# Altium PCB OpenFAN_Micro.PcbDoc
Units mm, origin at the board's own origin, x right, y up, seen from the top; angles counter-clockwise.
Board outline 40 x 28 mm, 4 copper layers (Top Layer, Layer 1, Layer 2, Bottom Layer), stack 1.562 mm thick; 60 components, 31 nets, 179 pads, 139 vias.
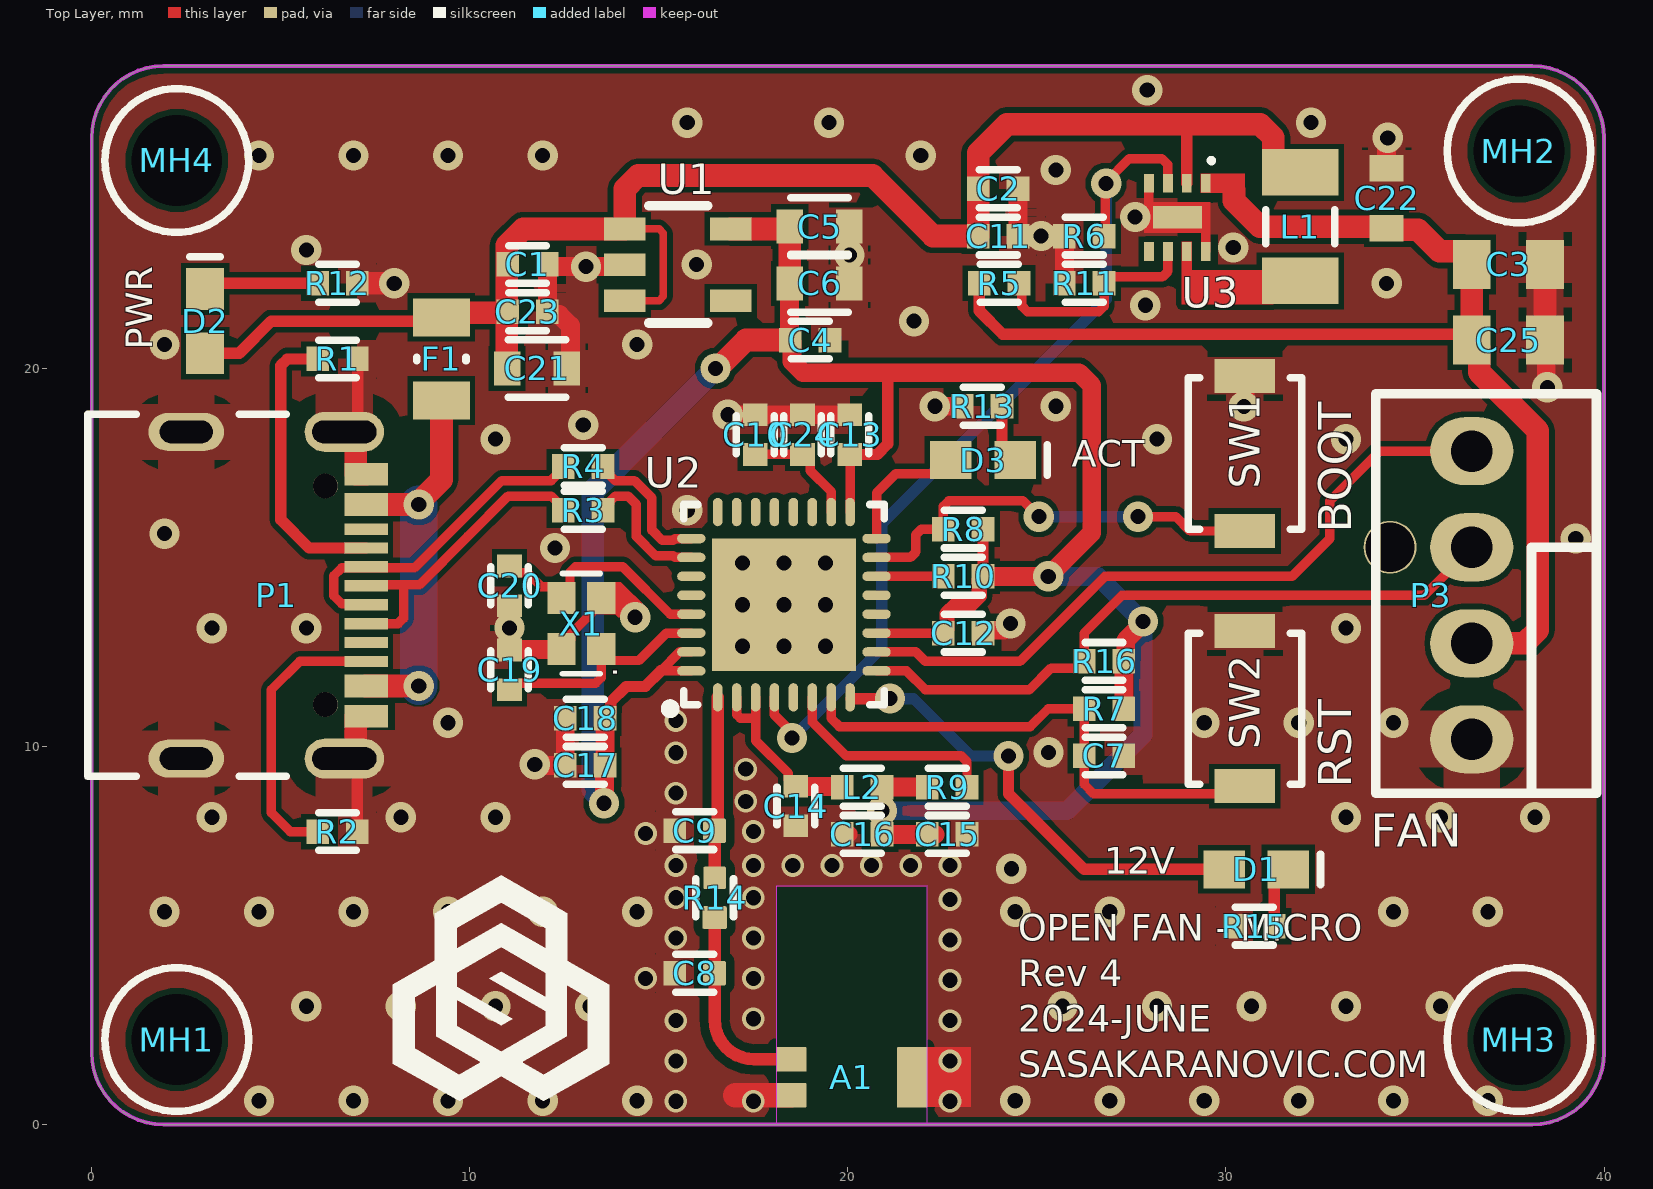
[diagram p0: Top Layer view]
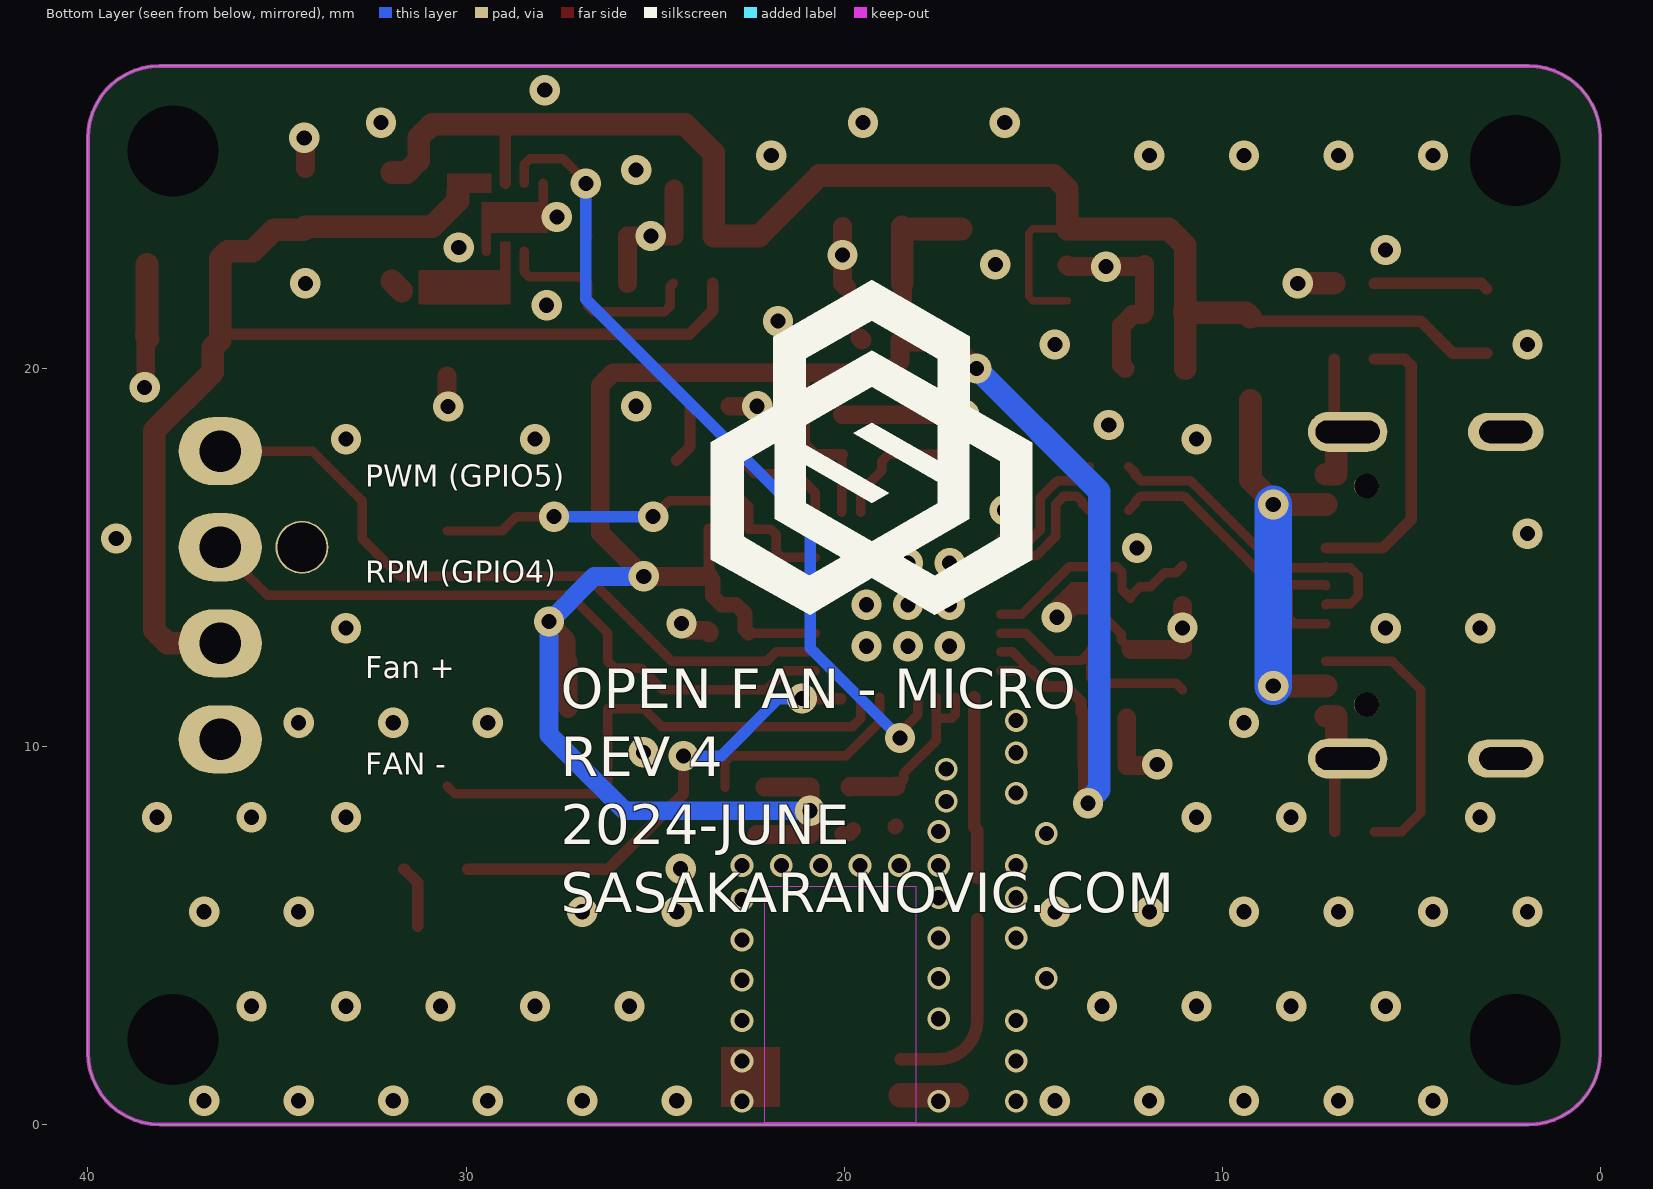
[diagram p1: Bottom Layer view, seen from below]
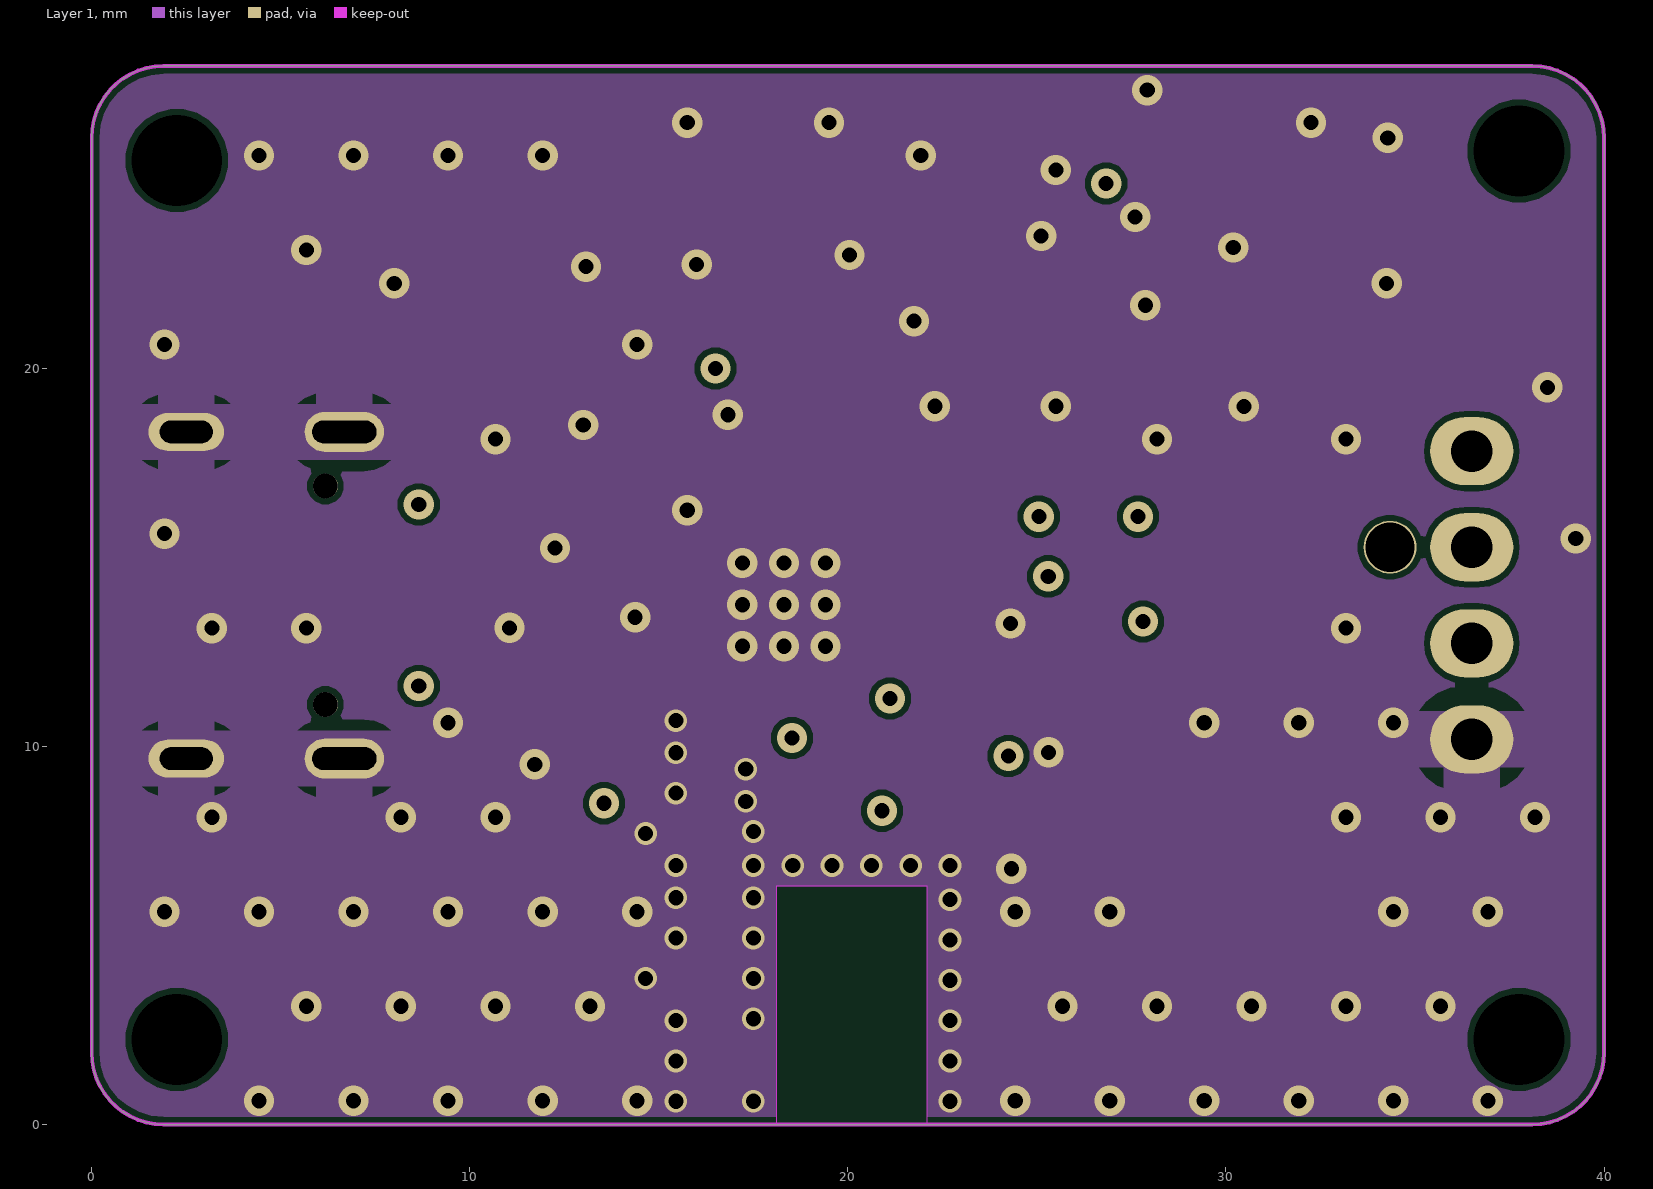
[diagram p2: Layer 1]
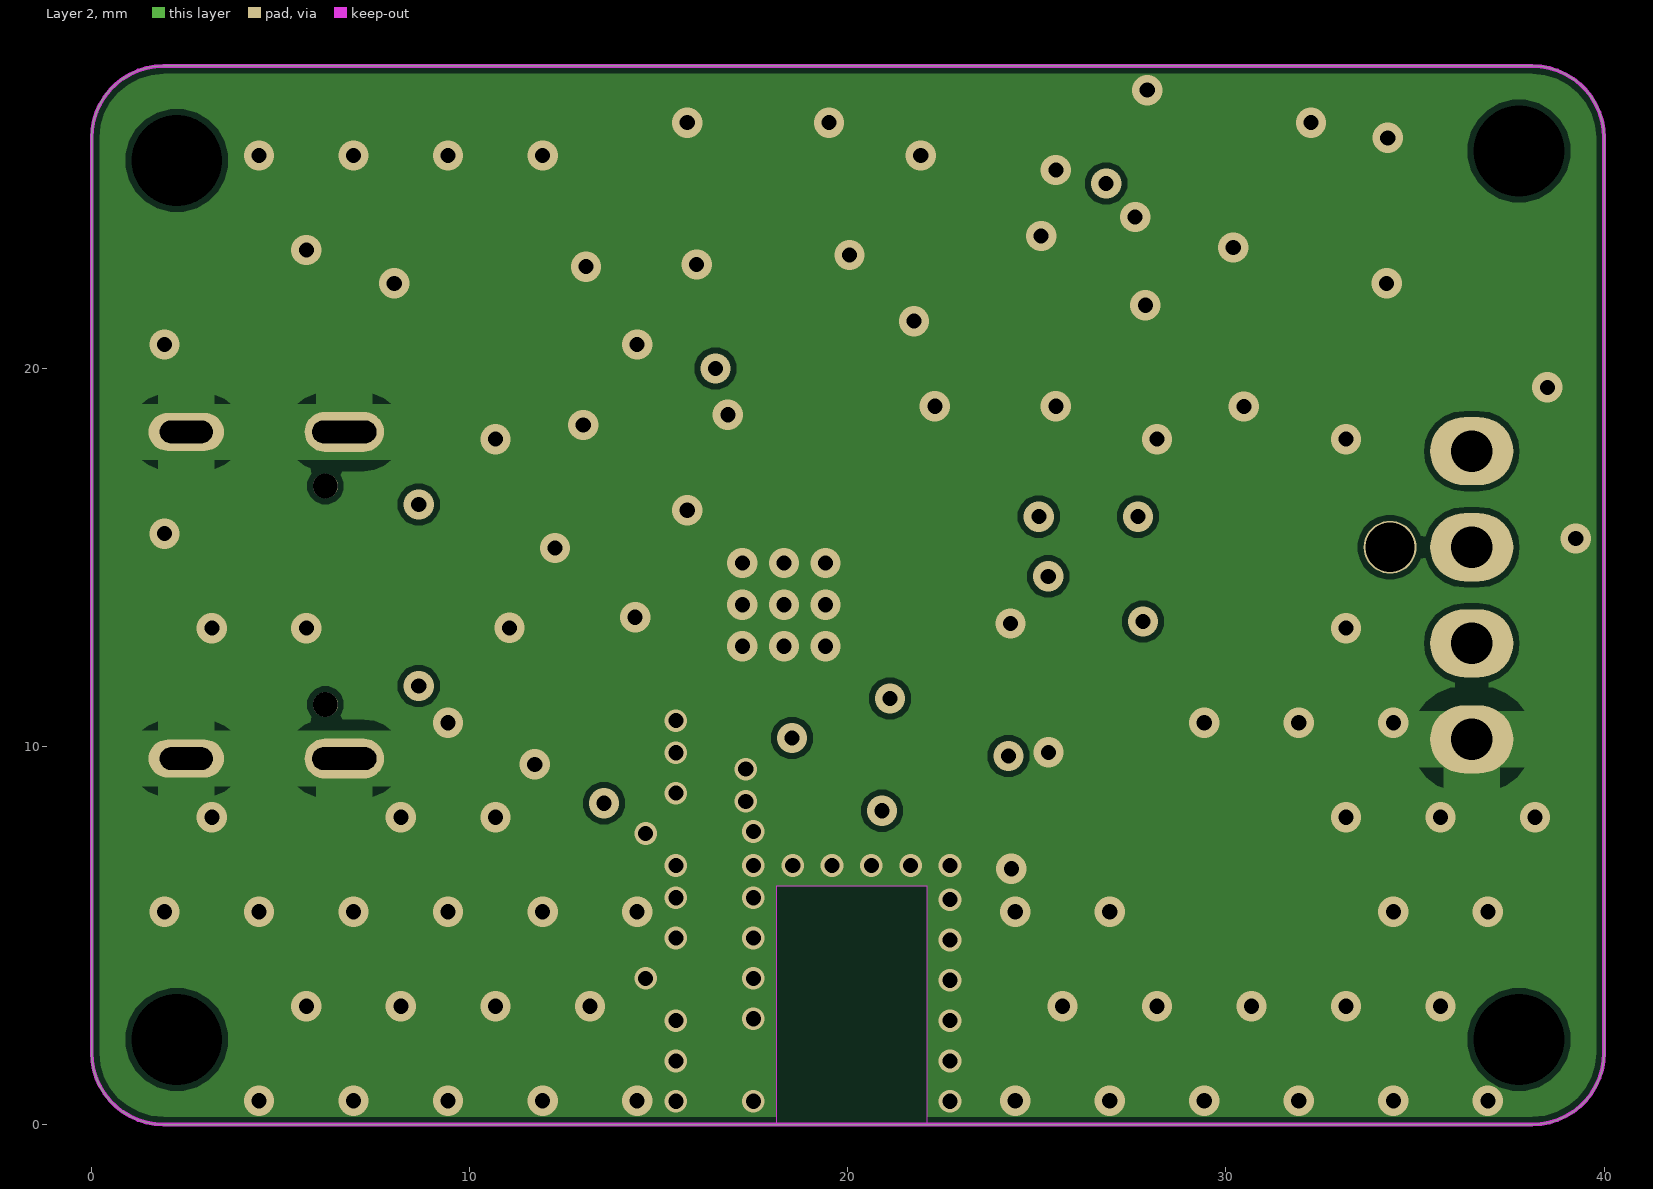
[diagram p3: Layer 2]
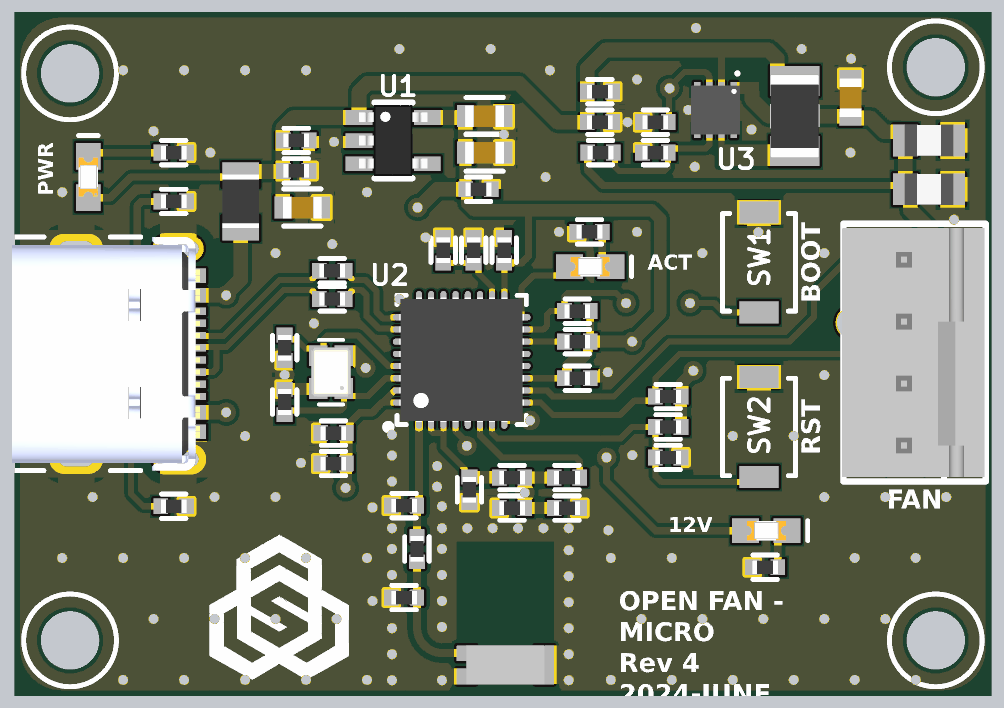
[diagram p4: 3D render of the assembled board from above, using the file's embedded part models]

## Layer stack, top to bottom
Top Solder: solder mask 0.0102, Solder Resist, Dk 3.5
Top Layer: signal copper 0.035
Dielectric 2: prepreg 0.196, 7628, Dk 4.56
Layer 1: signal copper 0.035
Dielectric 1: dielectric 1.03, FR-4, Dk 4.6
Layer 2: signal copper 0.035
Dielectric 3: prepreg 0.196, 7628, Dk 4.56
Bottom Layer: signal copper 0.035
Bottom Solder: solder mask 0.0102, Solder Resist, Dk 3.5

## Board outline
0,1.9 0,26.1 cw(c1.9,26.1) 1.9,28 38.1,28 cw(c38.1,26.1) 40,26.1 40,1.9 cw(c38.1,1.9) 38.1,0 1.9,0 cw(c1.9,1.9)

## Design rules (kind name [scope] priority, off if disabled: settings)
Clearance Antenna [InNetClass('RF') vs InNet('GND')] p1: gap=0.235 ignorepadtopadclearanceinfootprint=FALSE
Clearance Top-Pour [InNamedPolygon('GND_L01_P003')] p2: gap=0.15 ignorepadtopadclearanceinfootprint=FALSE
Clearance [All] p3: gap=0.152 ignorepadtopadclearanceinfootprint=FALSE
DiffPairsRouting [InDifferentialPairClass('All Differential Pairs')] p1: maxlimit=0.16 minlimit=0.127 mostfreqgap=0.16 toplayer_mingap=0.16 toplayer_minwidth=0.25 toplayer_maxwidth=0.25 toplayer_prefwidth=0.25 midlayer1_maxgap=0.127 midlayer1_prefgap=0.127 midlayer1_minwidth=0.1 midlayer1_maxwidth=0.1 midlayer1_prefwidth=0.1 midlayer2_maxgap=0.127 midlayer2_prefgap=0.127 midlayer2_minwidth=0.1 midlayer2_maxwidth=0.1 midlayer2_prefwidth=0.1 bottomlayer_mingap=0.16 bottomlayer_minwidth=0.25 bottomlayer_maxwidth=0.25 bottomlayer_prefwidth=0.25 impedanceprofiledriven=TRUE impedanceprofileid={943AB626-DB23-40CF-9A72-3136BF07F0CD} impedanceprofilevalue=90.000000 maxuncoupledlength=12.7
HoleSize [All] p1: absolutevalues=TRUE maxlimit=50 minlimit=0.4 maxpercent=80.000 minpercent=20.000
MinimumSolderMaskSliver [All] p1 off: minsoldermaskwidth=0.1
PlaneConnect [All] p1: pad.planeconnectstyle=Relief pad.reliefexpansion=0.508 pad.reliefentries=4 pad.reliefconductorwidth=0.254 pad.reliefairgap=0.254 via.planeconnectstyle=Direct via.reliefexpansion=0.508 via.reliefentries=4 via.reliefconductorwidth=0.254 via.reliefairgap=0.254
PolygonConnect PolygonConnect_2 [All vs IsNamedPolygon('NONET_L01_P001')] p1: connectstyle=Direct reliefconductorwidth=0.254 reliefentries=4 polygonreliefangle="90 Angle" airgapwidth=0.254
PolygonConnect [All vs IsNamedPolygon('NONET_L02_P000')] p2: thpad.connectstyle=Relief thpad.reliefconductorwidth=1 thpad.reliefentries=4 thpad.polygonreliefangle="90 Angle" thpad.airgapwidth=0.5 smdpad.connectstyle=Direct smdpad.reliefconductorwidth=0.254 smdpad.reliefentries=4 smdpad.polygonreliefangle="90 Angle" smdpad.airgapwidth=0.254 via.connectstyle=Direct via.reliefconductorwidth=0.254 via.reliefentries=4 via.polygonreliefangle="90 Angle" via.airgapwidth=0.254
PolygonConnect PolygonConnect_1 [All] p3: thpad.connectstyle=Relief thpad.reliefconductorwidth=1.5 thpad.reliefentries=4 thpad.polygonreliefangle="90 Angle" thpad.airgapwidth=0.5 smdpad.connectstyle=Relief smdpad.reliefconductorwidth=1 smdpad.reliefentries=4 smdpad.polygonreliefangle="90 Angle" smdpad.airgapwidth=0.2 via.connectstyle=Direct via.reliefconductorwidth=0.254 via.reliefentries=4 via.polygonreliefangle="90 Angle" via.airgapwidth=0.254
RoutingVias [All] p1: holewidth=0.8 width=0.8 viastyle="Through Hole" minholewidth=0.3 minwidth=0.6 maxholewidth=0.4 maxwidth=50
SilkToSilkClearance [All] p1 off: silktosilkclearance=0.1
SilkToSolderMaskClearance [IsPad] p1 off: minsilkscreentomaskgap=0.1 clearancetoexposedcopper=TRUE
SolderMaskExpansion [All] p1: expansion=0.102 istentingtop=FALSE
Width [All] p1: maxlimit=50 minlimit=0.154 preferedwidth=0.2
24 further rules are at their usual default settings.

## Classes and differential pairs
differential pair class USB_90: USB USB_CON
net class RF: NetA1_1 NetC9_2
differential pair class USB: USB_CON
component class 01_Top: MH1 MH2 MH3 MH4
component class Power: C1 C2 C3 C4 C5 C6 C11 C21 C23 D2 F1 L1 P1 R1 R2 R3 R4 R5 R6 R11 R12 U1 U3
component class MCU: A1 C7 C8 C9 C10 C12 C13 C14 C15 C16 C17 C18 C19 C20 C24 D1 D3 L2 R7 R8 R9 R10 R13 R14 R15 SS SW1 SW2 U2 X1
component class "Fan Drivers": C22 C25 P3 R16
differential pair USB: +USB_P -USB_N
differential pair USB_CON: +USB_CON_P -USB_CON_N

## Components (designator, comment, footprint, x,y, rotation, side; value= is the part's Value field where it differs from the comment)
A1 "Antenna" W3008C 20.1,1.25 r180 top locked value=W3008C
C1 "Cap" 0402#1 11.525,22.75 r180 top value=10u
C2 "Cap" 0402#1 23.975,24.75 r180 top value=100n
C3 "Cap" 0805 37.47,22.75 r180 top value=10u
C4 "Cap" 0402#1 19,20.75 r180 top value=100n
C5 "Cap" "0603 - CAP" 19.25,23.75 r180 top value=10u
C6 "Cap" "0603 - CAP" 19.25,22.25 r180 top value=10u
C7 "Cap" 0402#1 26.775,9.75 r180 top value=1u
C8 "Cap" 0402#2 15.948,4.005 r0 top value=DNP
C9 "Cap" 0402#2 15.948,7.775 r0 top value=DNP
C10 "Cap" 0402#1 17.55,18.25 r270 top value=1u
C11 "Cap" 0402#1 23.975,23.5 r180 top value=10u
C12 "Cap" 0402#1 23.05,13 r180 top value=100n
C13 "Cap" 0402#1 20.05,18.25 r270 top value=1u
C14 "Cap" 0402#1 18.625,8.425 r90 top value=100n
C15 "Cap" 0402#1 22.625,7.675 r180 top value=100n
C16 "Cap" 0402#1 20.375,7.675 r0 top value=10u
C17 "Cap" 0402#1 13.05,9.5 r0 top value=100n
C18 "Cap" 0402#1 13.05,10.75 r0 top value=1u
C19 "Cap" 0402#1 11.05,12.025 r90 top value=8pF
C20 "Cap" 0402#1 11.05,14.25 r90 top value=8pF
C21 "Cap" "0603 - CAP" 11.775,20 r180 top value=10u
C22 "Cap" "0603 - CAP" 34.25,24.5 r270 top value=1u
C23 "Cap" 0402#1 11.525,21.5 r180 top value=100n
C24 "Cap" 0402#1 18.8,18.25 r270 top value=1u
C25 "Cap" 0805 37.47,20.75 r180 top value=10u
D1 "LED" CD1608-0603 30.8,6.75 r0 top value="Diffused White LED"
D2 "RED" CD1608-0603 3,21.25 r90 top
D3 "LED" CD1608-0603 23.575,17.575 r0 top value="Diffused White LED"
F1 "Fuse" FUSE_2114X12N 9.25,20.25 r90 top value=1.1A
L1 "Inductor" INDC3218X20N 31.963,23.747 r270 top value=10uH
L2 "Inductor" 0402#1 20.375,8.925 r0 top value=2.2nH
MH1 "Mounting Hole" MH-M3 2.25,2.25 r0 top locked
MH2 "Mounting Hole" MH-M3 37.75,25.75 r0 top locked
MH3 "Mounting Hole" MH-M3 37.75,2.25 r0 top locked
MH4 "Mounting Hole" MH-M3 2.25,25.5 r0 top
P1 "USB-C Recepticle" GCT_USB4105-GF-A 2.5,14 r270 top locked
P3 "WM4330-ND" FAN_Connector_4pin 36.5,14 r270 top locked
R1 "Res" 0402#1 6.5,20.25 r0 top value=5.1K
R2 "Res" 0402#1 6.5,7.75 r0 top value=5.1K
R3 "Res" 0402#1 13,16.25 r180 top value=27R
R4 "Res" 0402#1 12.997,17.406 r180 top value=27R
R5 "Res" 0402#1 24,22.25 r180 top value=44K2
R6 "Res" 0402#1 26.25,23.5 r0 top value=10K
R7 "Res" 0402#1 26.775,11 r180 top value=5.1K
R8 "Res" 0402#1 23.05,15.75 r180 top value=5.1K
R9 "Res" 0402#1 22.625,8.925 r0 top value=5.1K
R10 "Res" 0402#1 23.05,14.5 r180 top value=5.1K
R11 "Res" 0402#1 26.25,22.25 r0 top value=5.1K
R12 "Res" 0402#1 6.5,22.25 r180 top value=680R
R13 "Res" 0402#1 23.55,19 r0 top value=680R
R14 "Res" 0402#3 16.475,6 r90 top value=0R
R15 "Res" 0402#1 30.75,5.25 r0 top value=680R
R16 "Res" 0402#1 26.775,12.25 r0 top value=10K
SW1 "Switch" Switch-XDTD-0304-215 30.5,17.75 r90 top
SW2 "Switch" Switch-XDTD-0304-215 30.5,11 r90 top
U1 "IC REG LINEAR 3.3V 600MA SOT23-5" SOT-23-5 15.5,22.75 r0 top
U2 "ESP32-C3-FNH4" QFN50P500X500X100_HS-33N 18.308,13.75 r90 top
U3 "MIC2290YML-TR" SON50P200X85_HS-9N 28.713,23.997 r270 top
X1 "40MHz" XTAL-4LEAD-2016 12.95,13.25 r90 top
